# Altium PCB Scaffold.PcbDoc (part 2 of 3)
Units mm, origin at the board's own origin, x right, y up, seen from the top; angles counter-clockwise.
Board outline 195 x 150 mm, 4 copper layers (Top Layer, GND, Power, Bottom Layer), stack 1.429 mm thick; 332 components, 196 nets, 1081 pads, 626 vias.
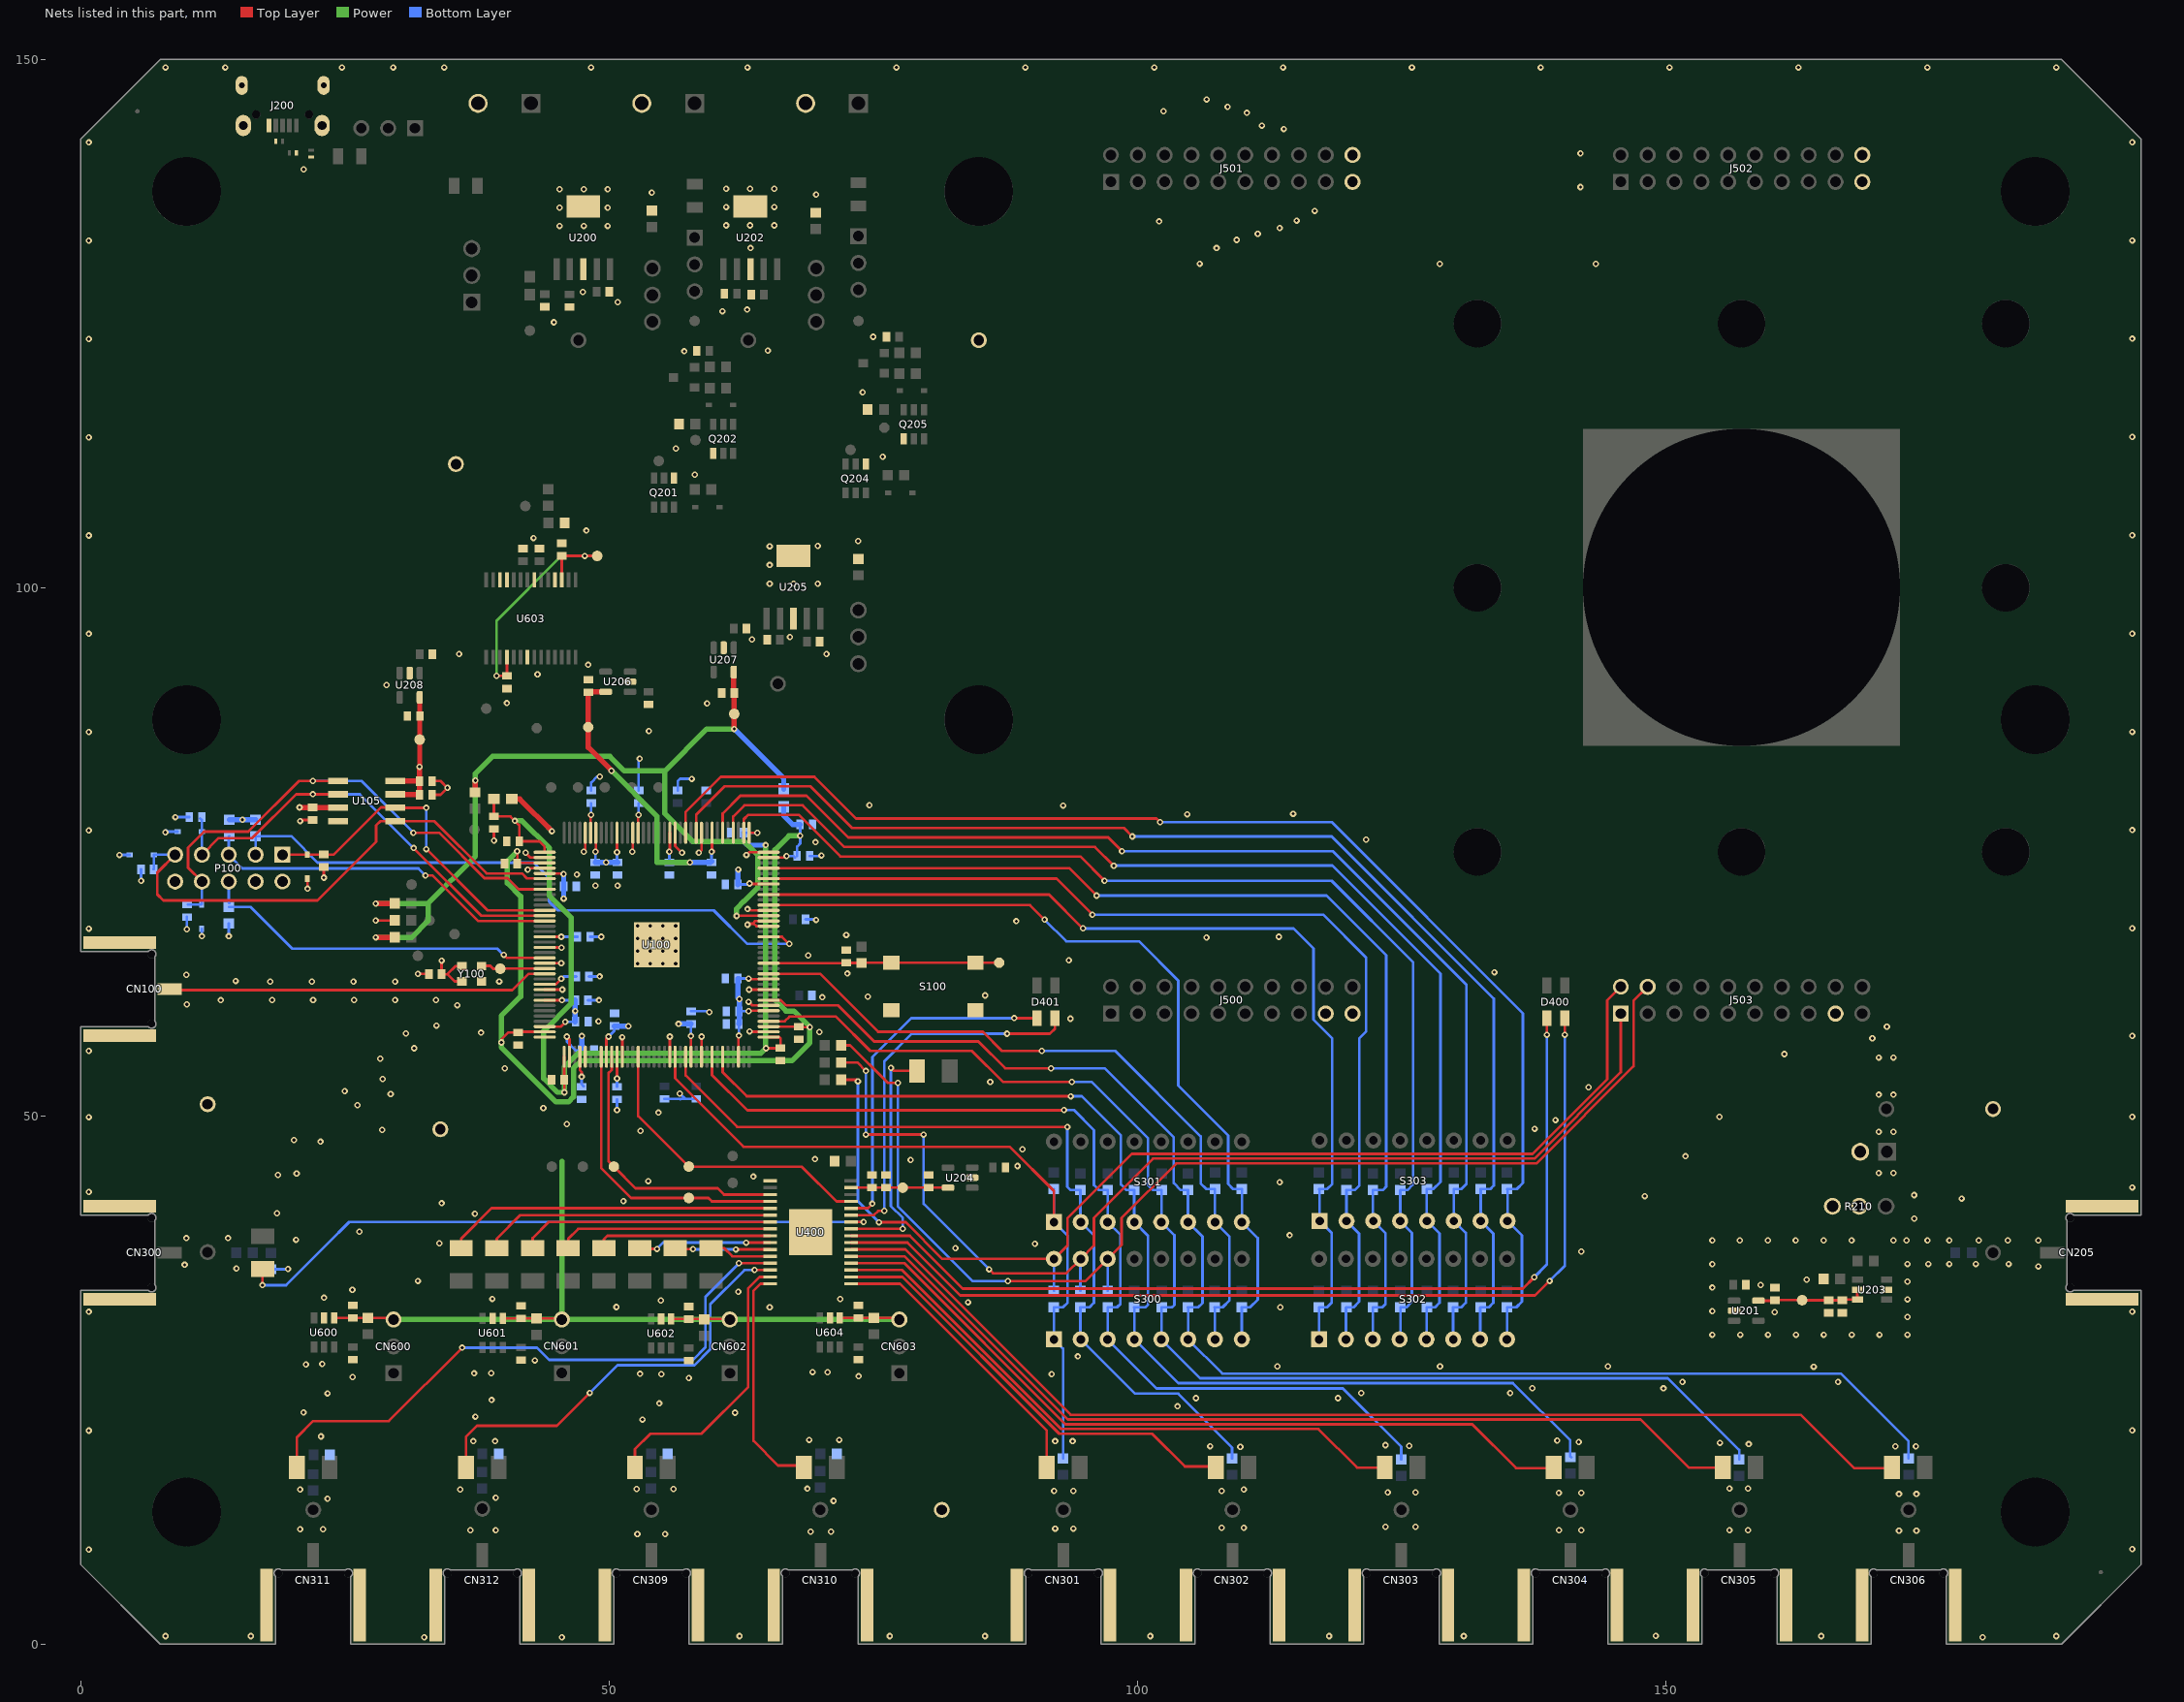
[diagram p4: the nets of this part, all layers, seen from the top]

## Part data
C100 C101 C137 C200 C201 C202 C203 C204 C208 C209 C210 C217 C218: library part "Capacitor 0603 - 10uF - 16V - X5R - 20%", "Capacitor 0603 - 10uF - 16V - X5R - 20%", Manufacturer=Murata, Manufacturer1=TDK, Manufacturer1 PN=C1608X5R1C106M080AB, Manufacturer2="Taiyo Yuden", Manufacturer2 PN=EMK107BBJ106MA-T, Manufacturer PN=GRM188R61C106MA73D, Power=16V, Tolerance=20%, PkgCode=0603, Type=X5R
C102 C103 C104 C105 C106 C107 C108 C109 C110 C111 C112 C113 C114 C115 C116 C117 C118 C119 C120 C121 C122 C123 C124 C125 C126 C127 C128 C129 C130 C131 C132 C133 C134 C135 C136 C151 C153 C154 C205 C401 C600 C601 C602 C603 C605 C606 C607 C608 C609 C610 C611: library part "Capacitor 0603 - 100nF - 16V - X7R - 10%", "Capacitor 0603 - 100nF - 16V - X7R - 10%", Manufacturer=Wurth, Manufacturer1=Yageo, Manufacturer1 PN=CC0603KRX7R7BB104, Manufacturer2=Multicomp, Manufacturer2 PN=MCCA000159, Manufacturer PN=885012206046, Power=16V, Tolerance=10%, PkgCode=0603, Type=X7R
C143 C144 C145 C146: library part "Capacitor 0603 -  10pF - 100V - COG - 5%", "Capacitor 0603 -  10pF - 100V - COG - 5%", Manufacturer=TDK, Manufacturer1=Murata, Manufacturer1 PN=GCM1885C2A100J, Manufacturer2=Samsung, Manufacturer2 PN=CL10C100JC81PB, Manufacturer PN=C1608C0G2A100D, Power=100V, Tolerance=5%, PkgCode=0603, Type=COG
C206 C207 C211 C212 C213 C214 C215 C216 C219 C220 C400: library part "Capacitor 0603 -     1uF - 16V - X7R - 10%", "Capacitor 0603 - 1uF - 16V - X7R - 10%", Manufacturer=Kemet, Manufacturer1=Murata, Manufacturer1 PN=GCM188R71C105K, Manufacturer2=Wurth, Manufacturer2 PN=885012206052, Manufacturer PN=C0603C105K4RACTU, Power=16V, Tolerance=10%, PkgCode=0603, Type=X7R
C604: library part "Capacitor 0603 -  4.7uF - 16V - X5R - 10%", "Capacitor 0603 - 4.7uF - 16V - X5R - 10%", Manufacturer=Murata, Manufacturer1=TDK, Manufacturer1 PN=C1608X5R1C475K080AC, Manufacturer PN=GRM188R61C475KE11, Power=16V, Tolerance=10%, PkgCode=0603, Type=X5R
CN100 CN205 CN300 CN301 CN302 CN303 CN304 CN305 CN306 CN309 CN310 CN311 CN312: library part "Connector - SMA - Female - Horizontal - Mid Mount - Samtec - SMA–J–P–H–ST–EM3", "Connector - SMA - Female - Horizontal - Mid Mount - Samtec - SMA–J–P–H–ST–EM3", Manufacturer=Samtec, Manufacturer PN=SMA–J–P–H–ST–EM3, Gender=Female, Impedance="50 Ohms", Type=SMA
CN200 CN202 CN204: library part "Connector - Wire to Board Terminal Block - 2-Positions - Wurth - 691213710002", "Connector - Wire to Board Terminal Block - 2-Positions - Wurth - 691213710002", Manufacturer=Wurth, Manufacturer PN=691213710002, NoPins=2, NoRows=1, Pitch=5, Type="Wire to Board"
CN201 CN203 CN206 CN600 CN601 CN602 CN603: library part "Connector - Header - 3-Pin - single row - Male - Molex_90120-0123", "Connector - Header - 3-Pin - single row - Male - Molex_90120-0123", Manufacturer=Molex, Manufacturer PN=90120-0123, NoPins=3, NoRows=1, Pitch=2.54, Type=Male
CN207: library part "Connector - Header - 2-Pin - single row - Male - Molex", "Connector - Header - 2-Pin - single row - Male - Molex", Manufacturer=Molex, Manufacturer PN=90120-0122, NoPins=2, NoRows=1, Pitch=2.54, Type=Male
D100 D101 D102 D103 D200 D201 D205 D206: library part "Diode -Schottky -10V - 3 A - SOD-323 - BAT60J", Manufacturer=STMicroelectronics, Power=310mW, Manufacturer PN=BAT60J, PgkCode=SOD-323
D202 D203 D204: library part "Diode - ESD -15kV -10GHz - ESDAXLC6-1BT2", "Diode - ESD -15kV -10GHz - ESDAXLC6-1BT2", Manufacturer=STMicroelectronics, Air discharge=15kV, Body discharge=8kV, Manufacturer PN=ESDAXLC6-1BT2, PgkCode=SOD882
D400 D401: library part "Opto - DEL - RG 630/572nm 250/60 mcd - 20mA", "Opto - DEL - RG 630/572nm 250/60 mcd - 20mA", Manufacturer=Wurth, Manufacturer PN=150141RV73100
D402 D403 D404 D405 D406 D407 D408 D409 D410 D411 D412 D416 D417 D418 D419 D420 D421 D422 D423: library part "Opto - DEL - Yellow 590nm - 2mA -30 mcd", "Opto - DEL - Yellow 590nm - 2mA -30 mcd", Manufacturer=Kingbright, Manufacturer PN=AA3528LSYCKT/J3
D415: library part "Opto - DEL - Red 625nm - 2mA -120 mcd", "Opto - DEL - Red 625nm - 2mA -120 mcd", Manufacturer=Kingbright, Manufacturer PN=AA3528LSECKT/J3
F200 F201 F202 F203: library part "Fuse 0805 - PTC Resettable - 1A - 0.5A - 6VDC - 0.9Ohms", "Fuse 0805 - PTC Resettable - 1A - 0.5A - 6VDC - 0.9Ohms", Hold current=0.5A, Manufacturer="Bel Fuse", Manufacturer1=Bourns, Manufacturer1 PN=MF-PSMF050X-2, Manufacturer2=Littelfuse, Manufacturer2 PN=0805L050WR, Manufacturer PN=0ZCK0050FF2E, Max resistance=900mOhms, Trip current=1A, Voltage=6V, PkgCode=0805
J200: library part "Connector - USB - Micro B - Wurth", "Connector - USB - Micro B - Wurth", Manufacturer=Wurth, Manufacturer PN=629-105-150-521, NoPins=5, Type="Micro B"
J500 J501 J502 J503: library part "Connector - Header - 20 Pins - Dual row - Shrouded - Male", "Connector - Header - 20 Pins - Dual row - Shrouded - Male", Manufacturer=Samtec, Manufacturer PN=HTSS-110-01-G-D, NoPins=20, Rows=2
L100 L101 L200: library part "Ferrite - Bead - 0603 BLM18", "Ferrite - Bead - 0603 BLM18", DC Resistance="30 mOhms", Manufacturer=MURATA, Manufacturer PN=BLM18KG101TN1D, Rated Current="1 A", Impedance=100Ohms, PkgRef=0603
Logo1: library part "Misc - Logo Ledger", "Misc -  Logo Ledger"
Logo2: library part "Misc - Logo ESD", "Misc -  Logo ESD"
Logo3: library part "Misc - Logo ROHS", "Misc -  Logo ROHS"
M1 M2 M3 M4: library part "Misc - Mire", "Misc -  Mire"
P100: Manufacturer=Samtec, Manufacturer PN=TSW-105-07-G-D, NoPins=10, Rows=2
Q200 Q203: library part "Switch - PMOS 30V - STR2P3LLH6 - SOT23", "Switch - PMOS 30V - STR2P3LLH6 - SOT23", Manufacturer=STMicroelectronics, Manufacturer1="ON Semiconductor", Manufacturer1 PN=CPH3355-TL-W, Manufacturer2=MCC, Manufacturer2 PN=SI2307-TP, Manufacturer PN=STR2P3LLH6, ID max (continuous)=2A, PkgRef=SOT23, VDSmax=30V, VGSmax=20V
Q201 Q202 Q204 Q205: library part "Switch - NMOS 30V - STT6N3LLH6 - SOT23-6", "Switch - NMOS 30V - STT6N3LLH6 - SOT23-6", Manufacturer=STMicroelectronics, Manufacturer PN=STT6N3LLH6, ID max (continuous)=6A, PkgRef=SOT23-6, VDSmax=30V, VGSmax=20V
R100: library part "Resistor 0603 -   47KOhm - 1/10W - 1%", "Resistor 0603 -   47KOhm - 1/10W - 1%", Manufacturer=YAGEO, Manufacturer PN=RC0603FR-0747KL, Power=1/10W, Tolerance=1%, PkgCode=0603
R101 R102 R103 R104 R105 R107 R108 R110 R111 R112 R301 R305 R307 R309 R313 R317 R319 R321 R323 R327 R331 R333 R335 R338 R339 R341 R343 R347 R348 R349 R351 R600 R601 R602 R604 R605: library part "Resistor 0603 -    10KOhm - 1/10W - 1%", "Resistor 0603 -    10KOhm - 1/10W - 1%", Manufacturer=Yageo, Manufacturer1=Panasonic, Manufacturer1 PN=ERJ3EKF1002, Manufacturer2="KOA Speer", Manufacturer2 PN=RK73H1JHT..1002F, Manufacturer PN=RC0603FR-0710KL, Power=1/10W, Tolerance=1%, PkgCode=0603
R200 R207 R216: library part "Potentiometer - 50 kOhms - 10% - 0.5W - Bourns - 3296W-1-503RLF", "Potentiometer - 50 kOhms - 10% - 0.5W - Bourns - 3296W-1-503RLF", Manufacturer="Bourns Electronics", Manufacturer PN=3296W-1-503RLF, Power=0.5W, Tolerance=10%, Turn=25
R201 R209: library part "Resistor 0603 -    470Ohm - 1/10W - 1%", "Resistor 0603 -    470Ohm - 1/10W - 1%", Manufacturer=Yageo, Manufacturer1=Panasonic, Manufacturer1 PN=ERJ3EKF4700, Manufacturer2="KOA Speer", Manufacturer2 PN=RK73H1JTTD4700F, Manufacturer PN=RC0603FR-07470RP, Power=1/10W, Tolerance=1%, PkgCode=0603
R202 R211: library part "Resistor 0603 -    15KOhm - 1/10W - 1%", "Resistor 0603 -    15KOhm - 1/10W - 1%", Manufacturer=Yageo, Manufacturer1=Panasonic, Manufacturer1 PN=ERJ3EKF1502, Manufacturer2="KOA Speer", Manufacturer2 PN=RK73H1JHT..1502F, Manufacturer PN=RC0603FR-1015KL, Power=1/10W, Tolerance=1%, PkgCode=0603
R203 R204 R212 R213: library part "Resistor 0603 -      2Ohm - 1/10W - 1%", "Resistor 0603 - 2Ohm - 1/10W - 1%", Manufacturer=Vishay, Manufacturer PN=CRCW06032R00FKEA, Power=1/10W, Tolerance=1%, PkgCode=0603
R205 R214 R215 R304 R306 R308 R312 R316 R318 R320 R322 R326 R330 R332 R334 R340 R342 R346 R350: library part "Resistor 0603 -      1KOhm - 1/10W - 1%", "Resistor 0603 - 1KOhm - 1/10W - 1%", Manufacturer=Yageo, Manufacturer PN=RC0603FR-071KL, Power=1/10W, Tolerance=1%, PkgCode=0603
R206: library part "Resistor 0603 -  50Ohm - 1/10W - 1%", "Resistor 0603 -  50Ohm - 1/10W - 1%", Manufacturer=Vishay, Manufacturer PN=CRCW060350R0FKEA, Power=1/10W, Tolerance=1%, PkgCode=0603
R208: library part "Resistor 0603 -    100Ohm - 1/10W - 1%", "Resistor 0603 -    100Ohm - 1/10W - 1%", Manufacturer=Vishay, Manufacturer PN=CRCW0603100RFKEA, Power=1/10W, Tolerance=1%, PkgCode=0603
R210: library part "Potentiometer - 100 Ohms - 25 turns - 10% - 0.5W - Bourns - 3296W-1-101LF", "Potentiometer - 100 Ohms - 25 turns - 10% - 0.5W - Bourns - 3296W-1-101LF", Manufacturer="Bourns Electronics", Manufacturer PN=3296W-1-101LF, Power=0.5W, Tolerance=10%, turns=25
R217: library part "Resistor 0603 -    28KOhm - 1/10W - 1%", "Resistor 0603 -    28KOhm - 1/10W - 1%", Manufacturer=Yageo, Manufacturer1=Panasonic, Manufacturer1 PN=ERJ3EKF2802, Manufacturer2="KOA Speer", Manufacturer2 PN=RK73H1JHT..2802F, Manufacturer PN=AC0603FR-0728KL, Power=1/10W, Tolerance=1%, PkgCode=0603
R300 R302 R303 R310 R311 R314 R315 R336 R337 R344 R345: library part "Resistor 0603 -        0Ohm - 1/10W - 1%", "Resistor 0603 - 0Ohm - 1/10W - 1%", Manufacturer=Vishay, Manufacturer PN=CRCW06030000FKEA, Power=1/10W, Tolerance=1%, PkgCode=0603
R400 R603: library part "Resistor 0603 - 4.75KOhm - 1/10W - 1%", "Resistor 0603 - 4.75KOhm - 1/10W - 1%", Manufacturer=Vishay, Manufacturer PN=CRCW06034K75FKEA, Power=1/10W, Tolerance=1%, PkgCode=0603
S100: Manufacturer="Wurth Elektronik", Manufacturer PN=430152080826, Rated Current="50 mA", Rated Voltage="12 VDC", Operation Force="260 gf", Size="6x6x8 mm"
S200: library part "Slide switch - 4A - 30VDC - APEM - 25136NAH", "Slide switch - 4A - 30VDC - APEM - 25136NAH", Current=4A, Manufacturer=APEM, Manufacturer PN=25136NAH
S300 S301 S302 S303: "Misc - DIP switch - 8 rows - TE connectivity - 1825057-7", Manufacturer="TE Connectivity", Manufacturer PN=1825057-7, Manufacturer PN1=ADE0804, Nb rows=8
TCK100 TDI100 TDO100 TMS100 TP100 TP101 TP102 TP103 TP104 TP105 TP106 TP107 TP108 TP111 TP200 TP201 TP202 TP203 TP204 TP205 TP206 TP207 TP208 TP209 TP210 TP211 TP400 TP401 TP402 TP403 TP405 TP600 TP601 TP602 TP603: library part "Misc - Test point CMS", "Misc - Test point CMS"
THP200 THP201 THP202 THP203 THP204 THP205 THP206 THP207 THP208 THP209 THP210 THP300 THP301 THP302 THP303 THP304 THP305 THP306 THP309 THP310 THP311 THP312: Manufacturer=Mill-max, Manufacturer PN=6821-0-00-15-00-00-08-0
U100: Manufacturer=Altera, Manufacturer PN=EP4CE22E22C6, PkgRef=EQFP144
U105: library part "IC - Serial configuration device - 16Mbits - SOIC8 - Altera - EPCS168N", "IC - Serial configuration device - 16Mbits - SOIC8 - Altera - EPCS168N", Manufacturer="Altera / Intel", Manufacturer1 PN=EPCQ16ASI8N, Manufacturer PN=EPCS16SI8N, Manufacturer1="Altera / Intel"
U200 U202 U205: library part "Power - LDO - Adj - 20V - 1.5A - SOT223-6", "Power - LDO - Adj - 20V - 1.5A - SOT223-6", Manufacturer="Texas Instruments", Manufacturer PN=TL1963ADCQR, Power=1.5A, Tolerance=70mV, PkgCode=SOT223-6
U201 U204 U208: library part "Power - LDO - 3.3V - 300 mA - SOT23-5L", "Power - LDO - 3.3V - 300 mA - SOT23-5L", Manufacturer=STMicroelectronics, Manufacturer PN=LDK130M33R, Power=300mA, Tolerance=3%, PkgCode=SOT23-5L
U203: library part "Power - Operationnal amplifier - ADA4895-1", "Power - Operationnal amplifier - ADA4895-1", Manufacturer="Analog Device", Manufacturer PN=ADA4895-1ARJZ-R, Gain="95 dB", PkgCode=SOT23-6L
U206: library part "Power - LDO - 1.2V - 300 mA - SOT23-5L", "Power - LDO - 1.2V - 300 mA - SOT23-5L", Manufacturer=STMicroelectronics, Manufacturer PN=LDK130M12R, Power=300mA, Tolerance=3%, PkgCode=SOT23-5L
U207: library part "Power - LDO - 2.5V - 300 mA - SOT23-5L", "Power - LDO - 2.5V - 300 mA - SOT23-5L", Manufacturer=STMicroelectronics, Manufacturer PN=LDK130M25R, Power=300mA, Tolerance=3%, PkgCode=SOT23-5L
U400: library part "Power - LED Driver - 24 LEDs - TLC5952 -  HTSSOP32", "Power - LED Driver - 24 LEDs - TLC5952 -  HTSSOP32", Manufacturer="Texas Instruments", Manufacturer PN=TLC5952DAP, PkgRef=HTSSOP32
U600 U601 U602 U604: library part "Logic - Level Shifter - 1.65V - 5.5V - 420Mbps -3-state - SOT23-6 - Texas Instruments - SN74LVC1T45DBVR", "Logic - Level Shifter - 1.65V - 5.5V - 420Mbps -3-state - SOT23-6 - Texas Instruments - SN74LVC1T45DBVR", Manufacturer="Texas Instruments", Manufacturer PN=SN74LVC1T45DBVR
U603: Manufacturer=FTDI, Manufacturer PN=FT232RL
Y100: Manufacturer=ECS, Manufacturer PN=ECS-2520S33-250-FN-TR

## Free pads (board coordinates)
  round 6.5 hole 6.5 unplated paste+0: 7(10,137.5) 8(185,12.5) 9(10,12.5) 11(10,87.5) 12(185,87.5) 13(85,87.5) 14(85,137.5)
  round 4.5 hole 4.5 unplated paste+0: 10(132.2,75) 10(132.2,100) 10(132.2,125) 10(157.2,75) 10(157.2,125) 10(182.2,75) 10(182.2,100) 10(182.2,125)
  round 6.5 hole 6.5 unplated paste+10: 10(185,137.5)
  rect 30x30 hole 30 square unplated paste+0: 15(157.2,100.014)

## Via types
v1: diameter 0.6, hole 0.3, Top Layer to Bottom Layer, tented both sides, 610 vias
v2: diameter 0.66, hole 0.33, Top Layer to Bottom Layer, tented top, 16 vias

## Nets (pads, with @x,y where several pads share a name; then routed paths per layer and width w, separated by ;. In a path a pad name is that pad's centre, name@x,y a point inside that pad or via, vN(x,y) a via of type N, cw(c..) or ccw(c..) an arc to the next point about the centre after c; other vN are vias at no path point)
1V2_FPGA: C102.2 C103.2 C104.2 C105.2 C106.2 C107.2 C108.2 C109.2 C110.2 C111.2 C112.2 C113.2 C114.2 C115.2 C214.2 L101.2 TP209.1 U100.5 U100.29 U100.34 U100.38 U100.45 U100.61 U100.70 U100.78 U100.84 U100.102 U100.116 U100.124 U100.134 U100.138 U206.5 | length 90.4
  Top Layer w0.25: U100.34@43.9,58.45 45.45,58.45 45.85,58.85 v1(45.85,58.9) ; U100.29@43.9,60.95 v1(45.55,60.95) ; U100.5@43.9,72.95 v1@45.65,72.95 ; v1(46,57.5) 46.25,57.25 U100.38@46.25,55.6 ; C214.2@48.028,90.1 C214.2@48.078,90.15 ; v1@48.75,75.05 U100.138@48.75,76.8 ; U100.45@49.75,55.6 49.75,57.3 v1(49.95,57.5) ; v1(50.75,74.95) U100.134@50.75,76.8 ; v1@55.75,75.05 U100.124@55.75,76.8 ; U100.61@57.75,55.6 v1(57.75,57.55) ; v1@59.75,75.05 U100.116@59.75,76.8 ; U100.70@62.25,55.6 v1@62.25,57.55 ; v1@63.25,59.95 U100.78@65.1,59.95 ; v1@63.25,62.95 U100.84@65.1,62.95 ; v1@63.35,71.95 U100.102@65.1,71.95
  Top Layer w0.5: L101.2@40.8,80 41.55,80 v1(44.6,76.95) ; C214.2@48.025,90.103 C214.2@48.025,90.1 ; C214.2@48.028,90.1 C214.2@48.025,90.1 ; C214.2@48.078,90.15 U206.5@49.675,90.15 ; v1(48.7,75) v1@48.75,75.05 ; v1(50.225,82.675) 48.025,84.875 TP209.1@48.025,86.8 C214.2@48.025,90.1 ; v1(55.7,75) v1@55.75,75.05 ; v1(59.7,75) v1@59.75,75.05 ; v1(63.2,59.9) v1@63.25,59.95 ; v1(63.2,63) v1@63.25,62.95
  Power w0.5: 44.3,77.25 v1(44.6,76.95) ; v1(50.225,82.675) 54.525,78.375 54.525,74 v1(57.65,74)
  Bottom Layer w0.25: v1(45.55,60.95) 46.753,60.95 C103.2@46.703,61 ; v1(45.85,58.9) C104.2@46.806,58.9 ; v1(46,57.5) 46,57.025 46.822,56.203 C105.2@47.4,56.203 ; C115.2@48.7,73.997 v1(48.7,75) ; v1(49.95,57.5) 50.5,58.05 C106.2@50.5,58.503 ; C114.2@50.75,74.047 v1(50.75,74.95) ; C113.2@55.7,73.997 v1(55.7,75) ; v1(57.75,57.55) C107.2@57.75,58.703 ; C112.2@59.7,74.097 v1(59.7,75) ; C111.2@62.197,71.9 v1@63.2,71.9 ; C109.2@62.297,59.9 62.325,59.9 v1(63.2,59.9) ; C110.2@62.297,63 v1(63.2,63) ; v1(62.3,57.6) C108.2@62.3,58.697
  Bottom Layer w0.5: v1(45.7,72.9) 45.703,72.897 C102.2@45.703,71.725 v1(45.703,70.572) ; C103.2@46.803,60.95 46.8,60.947 v1(46.8,59.925) 46.8,58.906 C104.2@46.806,58.9 ; C105.2@47.4,56.203 47.425,56.228 v1(47.425,57.55) ; C115.2@48.7,73.997 48.703,74 v1(49.725,74) C114.2@50.797,74 ; C106.2@50.5,58.503 50.528,58.475 v1(51.825,58.475) ; C114.2@50.75,74.047 C114.2@50.797,74 ; C114.2@50.8,73.997 C114.2@50.797,74 ; C113.2@55.7,73.997 55.703,74 v1(57.65,74) 59.603,74 C112.2@59.7,74.097 ; v1(56.575,58.7) 57.747,58.7 C107.2@57.75,58.703 ; C110.2@62.197,63 C110.2@62.197,62.9 ; C111.2@62.197,71.9 62.197,73.297 v1(62.225,73.325) ; C110.2@62.297,63 C110.2@62.197,62.9 ; C108.2@62.3,58.697 C108.2@62.297,58.7 62.325,58.728 62.325,59.9 v1(62.325,61.05) 62.197,61.178 C110.2@62.197,62.9
  other v1: 63.3,72
2V5_FPGA: C216.2 L100.2 R101.2 R102.2 R103.2 TP210.1 U100.96 U207.5 | length 95.8
  Top Layer w0.25: v1(62.075,68.925) 62.125,68.875 62.2,68.95 U100.96@65.1,68.95
  Top Layer w0.5: v1(27.904,66.9) R103.2@29.729,66.9 ; v1(27.904,70.1) R102.2@29.729,70.1 ; R101.2@37.3,80.625 37.35,80.675 v1(37.35,81.75) ; U207.5@61.8,92.016 61.8,90.097 C216.2@61.847,90.05 TP210.1@61.847,88.05 61.847,86.628 v1(61.85,86.625)
  Power w0.5: v1(27.904,66.9) 31.325,66.9 32.875,68.45 32.875,70.1 ; v1(27.904,70.1) 32.875,70.1 ; v1(61.85,86.625) 59.25,86.625 55.275,82.65 ; v1(62.075,68.925) 62.075,69.611 62.789,70.325 62.8,70.325 64.075,71.6 64.075,74.686 62.786,75.975 57.925,75.975 55.275,78.625 55.275,82.65 ; 32.875,70.1 37.35,74.575 v1(37.35,81.75) 37.35,82.4 38.975,84.025 50.075,84.025 51.45,82.65 55.275,82.65
  Bottom Layer w0.5: v1(61.85,86.625) 66.533,81.942 L100.2@66.533,80.925
3V3_FPGA: C122.2 C123.2 C124.2 C125.2 C126.2 C127.2 C136.1 C151.2 C153.2 C154.2 C220.2 C600.2 C602.2 C607.2 C610.2 CN600.3 CN601.3 CN602.3 CN603.3 D100.2 D101.2 D102.2 D103.2 P100.4 R105.2 R107.2 R600.2 R601.2 R602.2 R604.2 TP211.1 U100.17 U100.26 U100.40 U100.47 U100.130 U100.139 U105.3 U105.7 U105.8 U208.5 U600.1 U601.1 U602.1 U604.1 Y100.1 Y100.4 | length 131.2
  Top Layer w0.25: v1(21.45,71.5) D103.2@21.45,72.457 ; U600.1@23.975,30.875 CN600.3@29.44,30.875 ; v1@34.147,64.697 34.147,63.5 34.247,63.4 34.7,63.4 ; Y100.1@36.075,62.725 35.375,62.725 34.7,63.4 ; Y100.4@36.075,64.175 35.475,64.175 34.7,63.4 ; U601.1@39.925,30.825 R601.2@43.15,30.825 CN601.3@45.425,30.825 ; U100.26@43.9,62.45 44.975,62.45 v1@45.487,62.962 ; U100.17@43.9,66.95 v1(45.475,66.95) ; U100.40@47.25,55.6 47.25,54.3 47.4,54.15 v1(47.4,53.7) ; U100.139@48.25,76.8 v1@48.25,78.45 ; v1@50.75,53.7 U100.47@50.75,55.6 ; U100.130@52.75,76.8 v1@52.75,78.45 ; U602.1@55.825,30.775 U602.1@55.875,30.775 CN602.3@61.365,30.775 ; U604.1@71.85,30.875 R604.2@75.05,30.875 CN603.3@77.315,30.875
  Top Layer w0.5: v1(20.7,79.2) 20.703,79.197 C154.2@21.95,79.197 ; C154.2@22.018,79.165 U105.3@24.345,79.165 ; U105.7@29.755,80.435 32.018,80.435 C153.2@32.053,80.4 C151.2@32.053,81.7 v1(32.053,83.053) 32.075,83.075 TP211.1@32.075,85.617 ; U105.8@29.755,81.705 C151.2@32.048,81.705 ; TP211.1@32.075,85.866 U208.5@32.075,89.616 ; C136.1@34.147,63.4 C136.1@34.147,63.5 ; v1@34.147,64.697 v1(34.15,64.7) ; v1@48.25,78.45 v1(48.3,78.5)
  Power w0.5: CN600.3@29.6,30.715 CN601.3@45.525,30.715 ; 45.525,45.7 CN601.3@45.525,30.725 CN601.3@45.525,30.715 ; CN603.3@77.475,30.715 CN601.3@45.525,30.715
  Bottom Layer w0.25: v1(3.65,74.7) D102.2@4.607,74.7 ; v1@8.05,76.9 D100.2@9.157,76.9 ; v1(11.45,67) D101.2@11.45,67.707 ; v1(45.475,62.975) 45.7,63.2 C123.2@46.903,63.2 ; v1(45.475,66.95) C122.2@47.003,66.95 ; v1(47.4,53.7) 47.4,52.997 C124.2@47.6,52.797 ; v1(48.3,78.5) C127.2@48.3,79.603 ; C125.2@50.75,52.747 v1(50.75,53.525) ; v1(52.8,78.5) C126.2@52.8,79.603
  Bottom Layer w0.5: v1(8,76.85) v1@8.05,76.9 ; R107.2@14.05,78.025 v1(15.295,78.025) R105.2@16.54,78.025
3V3_FT232: C605.1 C609.1 TP601.1 U603.4 U603.17 | length 24.6
  Top Layer w0.25: v1(39.35,91.65) 39.353,91.647 C605.1@40.325,91.647 U603.4@40.325,93.431 U603.4@40.35,93.406 ; U603.17@45.525,100.743 C609.1@45.525,103.003 v1(47.7,103.003) 48.872,103.003 TP601.1@48.875,103 TP601.1@48.95,103
  Power w0.25: v1(39.35,91.65) 39.35,96.875 45.478,103.003 v1(47.7,103.003)
3V3_LED_DRIVER: C212.2 C400.1 C401.1 TP208.1 U204.5 U400.31 | length 9.2
  Top Layer w0.25: U400.31@72.9,43.2 C401.1@74.889,43.2 ; C401.1@74.892,43.203 C400.1@76.192,43.203 77.797,43.203 82.072,43.203 U204.5@82.075,43.2